# Altium PCB rpi_CM4_CAN_board.PcbDoc (continued)
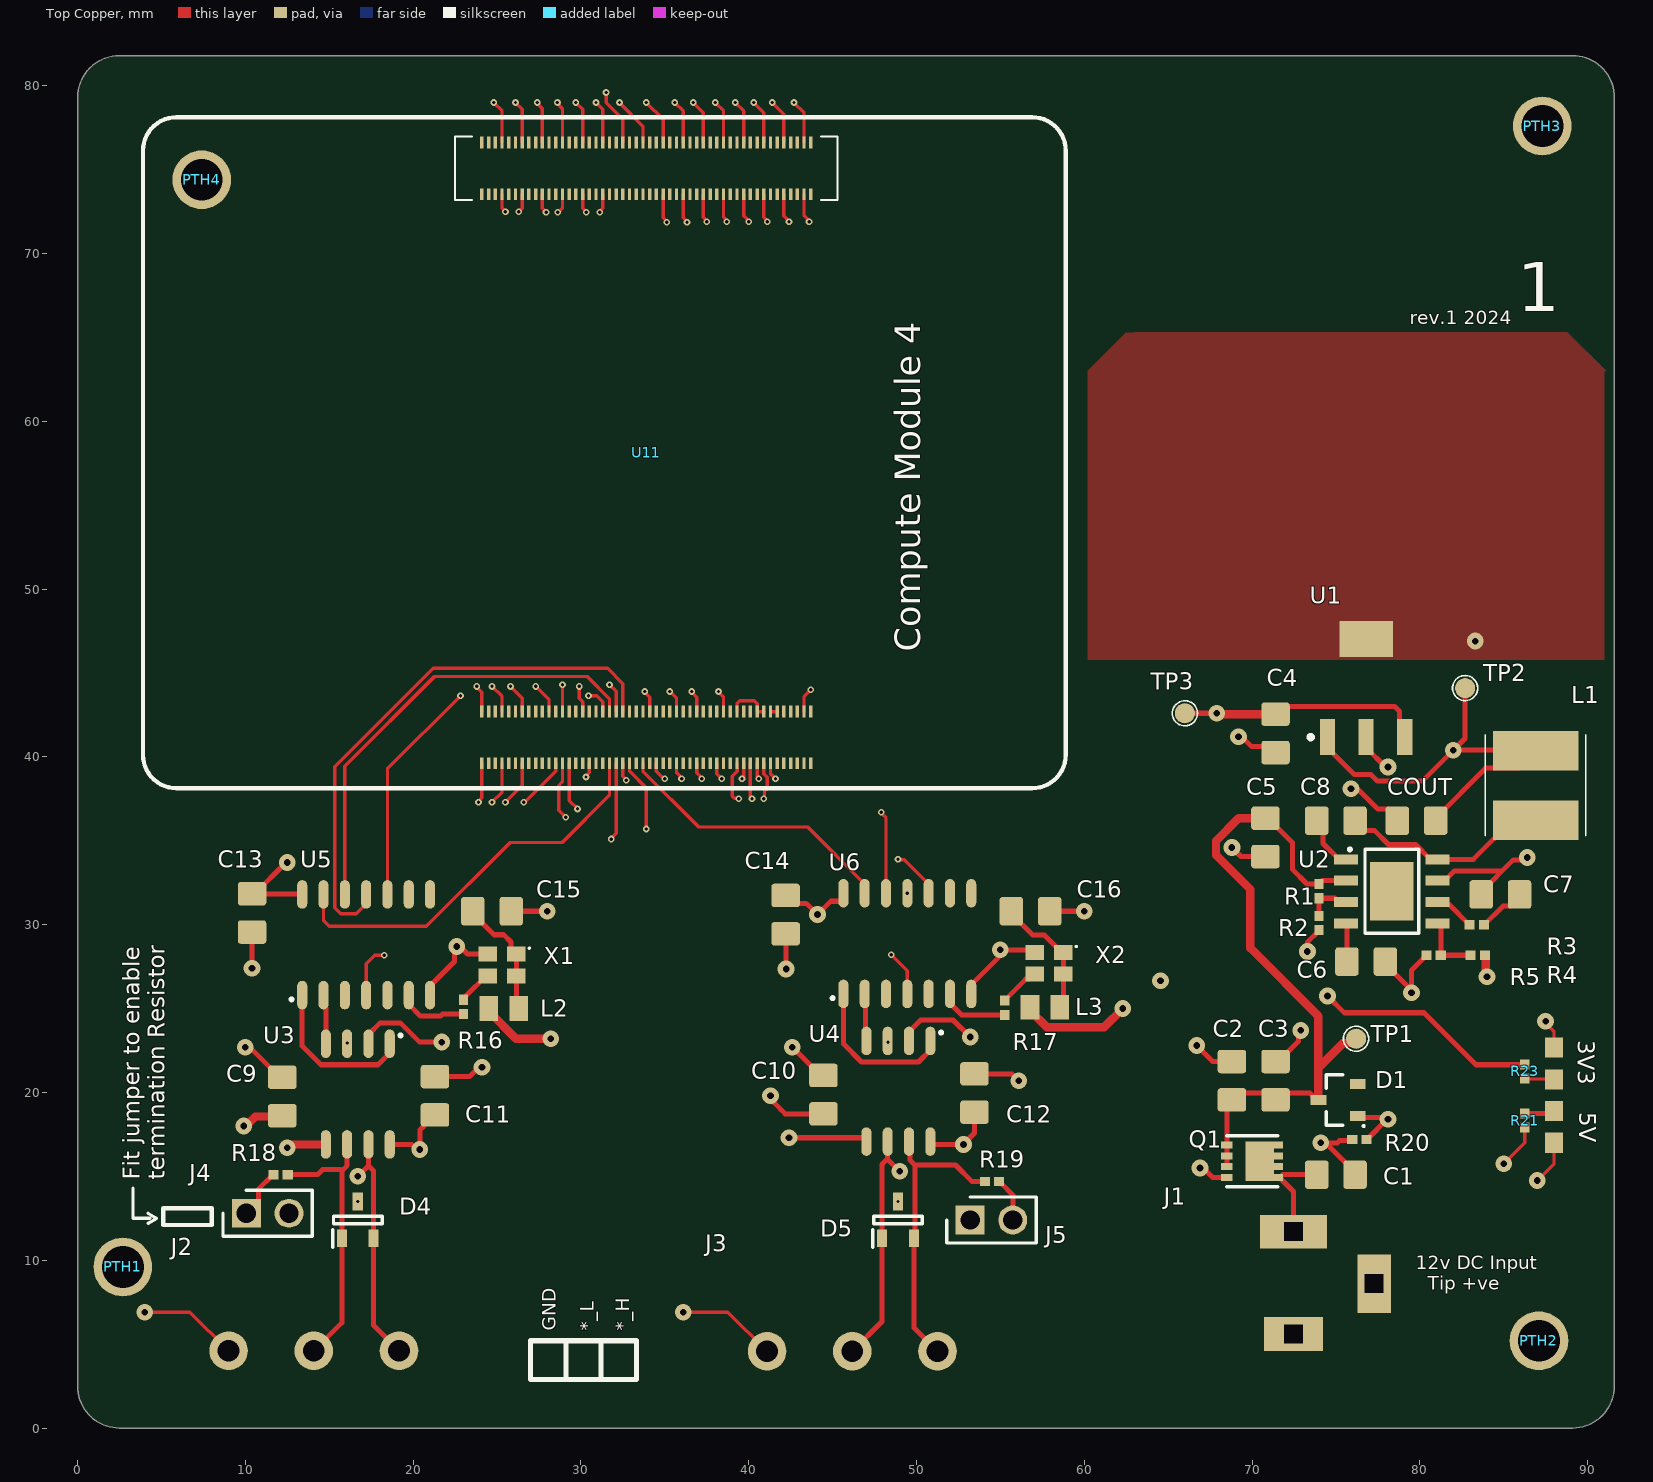
[diagram p0: Top Copper view]
## Components (designator, comment, footprint, x,y, rotation, side; value= is the part's Value field where it differs from the comment) (continued)

## Footprints (in the part's own frame and the unit in brackets; to place one, negate y for a bottom-side part, rotate by r counter-clockwise, add the part's x,y. Pads: shape width x height; smd on the part's side, far side on the other; paste and mask are expansions set on the pad)
AP60501 [mm]
  rect 1.45x0.6 smd: 1(-2.725,1.905) 2(-2.725,0.635) 3(-2.725,-0.635) 4(-2.725,-1.905) 5(2.725,-1.905) 6(2.725,-0.635) 7(2.725,0.635) 8(2.725,1.905)
  rect 2.6x3.5 smd: 9(0,0)
  silkscreen extent -2.55,-2.5 1.6,2.55, body extent -3,-2.5 3,2.5, height 1.75
CAP_0805 [mm]
  rrect25% 1.4x1.7 smd: 1(-1.143,0) 2(1.143,0)
  body extent -1.15,-0.76 1.15,0.79, height 1.01
CM4-DF40HC(3.0)-100DS-0.4v_3mm_1.5mm_NO_Outline-3D [mm] "DF40HC(3.0)-100DS-0.4v by Amornthep Phunsin"
  rect 0.7x0.2 smd: 1(18.5,-7.3) 2(15.42,-7.3) 3(18.5,-6.9) 4(15.42,-6.9) 5(18.5,-6.5) 6(15.42,-6.5) 7(18.5,-6.1) 8(15.42,-6.1) 9(18.5,-5.7) 10(15.42,-5.7) 11(18.5,-5.3) 12(15.42,-5.3) 13(18.5,-4.9) 14(15.42,-4.9) 15(18.5,-4.5) 16(15.42,-4.5) 17(18.5,-4.1) 18(15.42,-4.1) 19(18.5,-3.7) 20(15.42,-3.7) 21(18.5,-3.3) 22(15.42,-3.3) 23(18.5,-2.9) 24(15.42,-2.9) 25(18.5,-2.5) 26(15.42,-2.5) 27(18.5,-2.1) 28(15.42,-2.1) 29(18.5,-1.7) 30(15.42,-1.7) 31(18.5,-1.3) 32(15.42,-1.3) 33(18.5,-0.9) 34(15.42,-0.9) 35(18.5,-0.5) 36(15.42,-0.5) 37(18.5,-0.1) 38(15.42,-0.1) 39(18.5,0.3) 40(15.42,0.3) 41(18.5,0.7) 42(15.42,0.7) 43(18.5,1.1) 44(15.42,1.1) 45(18.5,1.5) 46(15.42,1.5) 47(18.5,1.9) 48(15.42,1.9) 49(18.5,2.3) 50(15.42,2.3) 51(18.5,2.7) 52(15.42,2.7) 53(18.5,3.1) 54(15.42,3.1) 55(18.5,3.5) 56(15.42,3.5) 57(18.5,3.9) 58(15.42,3.9) 59(18.5,4.3) 60(15.42,4.3) 61(18.5,4.7) 62(15.42,4.7) 63(18.5,5.1) 64(15.42,5.1) 65(18.5,5.5) 66(15.42,5.5) 67(18.5,5.9) 68(15.42,5.9) 69(18.5,6.3) 70(15.42,6.3) 71(18.5,6.7) 72(15.42,6.7) 73(18.5,7.1) 74(15.42,7.1) 75(18.5,7.5) 76(15.42,7.5) 77(18.5,7.9) 78(15.42,7.9) 79(18.5,8.3) 80(15.42,8.3) 81(18.5,8.7) 82(15.42,8.7) 83(18.5,9.1) 84(15.42,9.1) 85(18.5,9.5) 86(15.42,9.5) 87(18.5,9.9) 88(15.42,9.9) 89(18.5,10.3) 90(15.42,10.3) 91(18.5,10.7) 92(15.42,10.7) 93(18.5,11.1) 94(15.42,11.1) 95(18.5,11.5) 96(15.42,11.5) 97(18.5,11.9) 98(15.42,11.9) 99(18.5,12.3) 100(15.42,12.3) 101(-15.42,-7.3) 102(-18.5,-7.3) 103(-15.42,-6.9) 104(-18.5,-6.9) 105(-15.42,-6.5) 106(-18.5,-6.5) 107(-15.42,-6.1) 108(-18.5,-6.1) 109(-15.42,-5.7) 110(-18.5,-5.7) 111(-15.42,-5.3) 112(-18.5,-5.3) 113(-15.42,-4.9) 114(-18.5,-4.9) 115(-15.42,-4.5) 116(-18.5,-4.5) 117(-15.42,-4.1) 118(-18.5,-4.1) 119(-15.42,-3.7) 120(-18.5,-3.7) 121(-15.42,-3.3) 122(-18.5,-3.3) 123(-15.42,-2.9) 124(-18.5,-2.9) 125(-15.42,-2.5) 126(-18.5,-2.5) 127(-15.42,-2.1) 128(-18.5,-2.1) 129(-15.42,-1.7) 130(-18.5,-1.7) 131(-15.42,-1.3) 132(-18.5,-1.3) 133(-15.42,-0.9) 134(-18.5,-0.9) 135(-15.42,-0.5) 136(-18.5,-0.5) 137(-15.42,-0.1) 138(-18.5,-0.1) 139(-15.42,0.3) 140(-18.5,0.3) 141(-15.42,0.7) 142(-18.5,0.7) 143(-15.42,1.1) 144(-18.5,1.1) 145(-15.42,1.5) 146(-18.5,1.5) 147(-15.42,1.9) 148(-18.5,1.9) 149(-15.42,2.3) 150(-18.5,2.3) 151(-15.42,2.7) 152(-18.5,2.7) 153(-15.42,3.1) 154(-18.5,3.1) 155(-15.42,3.5) 156(-18.5,3.5) 157(-15.42,3.9) 158(-18.5,3.9) 159(-15.42,4.3) 160(-18.5,4.3) 161(-15.42,4.7) 162(-18.5,4.7) 163(-15.42,5.1) 164(-18.5,5.1) 165(-15.42,5.5) 166(-18.5,5.5) 167(-15.42,5.9) 168(-18.5,5.9) 169(-15.42,6.3) 170(-18.5,6.3) 171(-15.42,6.7) 172(-18.5,6.7) 173(-15.42,7.1) 174(-18.5,7.1) 175(-15.42,7.5) 176(-18.5,7.5) 177(-15.42,7.9) 178(-18.5,7.9) 179(-15.42,8.3) 180(-18.5,8.3) 181(-15.42,8.7) 182(-18.5,8.7) 183(-15.42,9.1) 184(-18.5,9.1) 185(-15.42,9.5) 186(-18.5,9.5) 187(-15.42,9.9) 188(-18.5,9.9) 189(-15.42,10.3) 190(-18.5,10.3) 191(-15.42,10.7) 192(-18.5,10.7) 193(-15.42,11.1) 194(-18.5,11.1) 195(-15.42,11.5) 196(-18.5,11.5) 197(-15.42,11.9) 198(-18.5,11.9) 199(-15.42,12.3) 200(-18.5,12.3)
  silkscreen extent -20.01,-27.5 20.04,27.5, body extent -18.69,-8.78 18.69,13.82, height 2.9
DMP3036SFV7 [mm]
  rect 0.42x0.7 smd: 1(-0.975,-1.5) 2(-0.325,-1.5) 3(0.325,-1.5) 4(0.975,-1.5)
  rect 0.42x0.54 smd: 5(0.975,1.58) 6(0.325,1.58) 7(-0.325,1.58) 8(-0.975,1.58)
  rect 2.37x1.71 smd: 9(0,0.455)
  silkscreen extent -1.53,-1.53 1.53,1.53, body extent -1.65,-1.72 1.65,1.58, height 0.8
HDRV2W66P0X254_1X2_508X249X1067P [mm]
  rect 1.725x1.725 hole 1.15: 1(0,0)
  round 1.725 hole 1.15: 2(2.54,0)
  silkscreen extent -1.4,-1.37 3.94,1.37, body extent -1.27,-1.25 3.81,1.25, height 9.07
L_0805 [mm]
  rect 1.12x1.47 smd: 1(-0.89,0) 2(0.89,0)
  body extent -1.07,-0.72 1.07,0.72, height 1.1
LED_fp [mm] "https://ro.farnell.com/wurth-elektronik/150080gs75000/led-0805-green-450mcd-520nm/dp/2322076?gross_price=true&CMP=KNC-GRO-GEN-SHOPPING-PMax_Test_840_MediumMargin&mckv=_dc%7Cpcrid%7C%7Cplid%7C%7Ckword%7C%7Cmatch%7C%7Cslid%7C%7Cproduct%7C2322076%7Cpgrid%7C%7Cptaid%7C%7C&gad_source=1&gclid=Cj0KCQjwjLGyBhCYARIsAPqTz18Amj4u5qMw452dzp4QFbvRWjaA25yZdq1iP5S9VaglDibMucql-VwaApB3EALw_wcB"
  rect 1.2x1.05 smd: 1(-0.95,0) 2(0.95,0)
  body extent -1,-0.63 1,0.63, height 0.7
MCP2517FD_SOIC14 [mm] "SOIC, 14-Leads, Body 8.65x3.90mm, Pitch 1.27mm, IPC Medium Density"
  oval 1.7x0.6 smd: 1(-3,3.81) 2(-3,2.54) 3(-3,1.27) 4(-3,0) 5(-3,-1.27) 6(-3,-2.54) 7(-3,-3.81) 8(3,-3.81) 9(3,-2.54) 10(3,-1.27) 11(3,0) 12(3,1.27) 13(3,2.54) 14(3,3.81)
  silkscreen extent -3.3,4.4 -3.2,4.5, body extent -2.96,-4.5 2.96,4.5, height 1.75
MCP2557_SOIC8 [mm]
  oval 1.7x0.6 smd: 1(-3,1.905) 2(-3,0.635) 3(-3,-0.635) 4(-3,-1.905) 5(3,-1.905) 6(3,-0.635) 7(3,0.635) 8(3,1.905)
  silkscreen extent -3.55,2.5 -3.45,2.6, body extent -3.25,-2.6 3.25,2.6, height 1.75
mh_fp [mm]
  round 3.5 hole 2.5: 1(0,0)
MMBZ52 [mm]
  rect 0.95x0.6 smd: 1(-1.175,0.95) 2(-1.175,-0.95) 3(1.175,0)
  silkscreen extent -1.58,-1.5 0.7,1.6, body extent -1.3,-1.5 1.3,1.5, height 1.1
Osc [mm]
  rect 1.1x0.9 smd: 1(-0.85,-0.65) 2(0.85,-0.65) 3(0.85,0.65) 4(-0.85,0.65)
  silkscreen extent -1.68,-1.05 -1.58,-0.95, body extent -1.25,-1 1.25,1, height 0.9
"power jack" [mm]
  rect 2x4 hole 1.1 square: 1(-3.1,0)
  rect 3.5x2 hole 1.1 square: 2(0,4.8)
  rect 2x3.5 hole 1.1 square: 3(3,0)
  body extent -3.55,-4.58 10.65,4.87, height 11
RES0402 [mm] "Chip Resistor, 2-Leads, Body 1.00x0.50mm, IPC Medium Density"
  rect 0.6x0.55 smd: 1(-0.425,0) 2(0.425,0)
  body extent -0.53,-0.28 0.53,0.28, height 0.4
SOT95P230X110-3N [mm]
  rect 1.05x0.6 smd: 1(-1.1,0.95) 2(-1.1,-0.95) 3(1.1,0)
  silkscreen extent -1.63,-1.45 0.23,1.5, body extent -1.2,-1.45 1.2,1.45, height 0.95
SRN6045TA330M [mm]
  rect 5.1x2.35 smd: 1(0,-2.075) 2(0,2.075)
  silkscreen extent -3,-3 3,3, body extent -3,-3 3,3, height 3.96
TC1108 [mm] "SOT223, 4-Leads, Body 6.50x7.00mm (avg), Pitch 2.30mm, IPC Medium Density"
  rect 2.15x0.9 smd: 1(-2.925,2.3) 2(-2.925,0) 3(-2.925,-2.3)
  rect 2.15x3.2 smd: 2(2.925,0)
  silkscreen extent -3.05,3.17 -2.8,3.42, body extent -3.5,-3.35 3.5,3.35, height 1.8
Terminal [mm]
  round 2.3 hole 1.3: 1(5.08,0) 2(0,0) 3(-5.08,0)
  body extent -8.06,-4.52 7.51,4.48, height 13.6
Test_point [mm] "Reference point"
  round 1.2 smd paste-0.6: TP?(0,0)
  silkscreen extent -0.75,-0.75 0.75,0.75, body extent -0.6,-0.6 0.6,0.6, height 0.03

## Part data
5V: "https://ro.farnell.com/wurth-elektronik/150080gs75000/led-0805-green-450mcd-520nm/dp/2322076?gross_price=true&CMP=KNC-GRO-GEN-SHOPPING-PMax_Test_840_MediumMargin&mckv=_dc%7Cpcrid%7C%7Cplid%7C%7Ckword%7C%7Cmatch%7C%7Cslid%7C%7Cproduct%7C2322076%7Cpgrid%7C%7Cptaid%7C%7C&gad_source=1&gclid=Cj0KCQjwjLGyBhCYARIsAPqTz18Amj4u5qMw452dzp4QFbvRWjaA25yZdq1iP5S9VaglDibMucql-VwaApB3EALw_wcB"
C1 C2 C3 C4 C5 C6 C7 C8 C9 C10 C11 C12 C13 C14 C15 C16 COUT: library part CAP_0805
D4 D5: "Diode", Manufacturer_Name=Nexperia, Mouser Part Number=771-PESD2CANFD27L-TR, Datasheet Link=https://assets.nexperia.com/documents/data-sheet/PESD2CANFD27L-T.pdf, Height=1.1mm, Manufacturer_Part_Number=PESD2CANFD27L-TR, Mouser Price/Stock=https://www.mouser.co.uk/ProductDetail/Nexperia/PESD2CANFD27L-TR?qs=hWgE7mdIu5THSw1DtVHdDg%3D%3D
L1: library part Inductor, "SRN6045TA-3R3Y"
L2 L3: library part Inductor
PTH1 PTH2 PTH3 PTH4: "Mounting Hole, 2.5mm"
R1 R2 R3 R4 R5 R16 R17 R18 R19 R20 R21 R23: library part "RES 0402"
TP1: library part test_point
U1: "CJ117 or TC1108"
U2: Manufacturer=Diodes, Manufacturer Part Number=AP64060WU-7, Supplier Part Number=31-AP64060WU-7CT-ND, Category="Voltage Regulators - Switching", Pricing="1=0.62, 10=0.531, 25=0.496, 100=0.3968, 250=0.36844, 500=0.31174, 1000=0.2409 (USD)", RoHS=No, Stock=6070, Supplier=Digikey

## Via types
v1: diameter 0.4, hole 0.2, Top Copper to Bottom Copper, 73 vias
v2: diameter 1, hole 0.4, Top Copper to Bottom Copper, 47 vias

## Nets (pads, with @x,y where several pads share a name; then routed paths per layer and width w, separated by ;. In a path a pad name is that pad's centre, name@x,y a point inside that pad or via, vN(x,y) a via of type N, cw(c..) or ccw(c..) an arc to the next point about the centre after c; other vN are vias at no path point)
0_CE0: U5.13 U11.39 | length 23.9
  Top Copper w0.2: U5.13 14.66,30.24 15,29.9 20.785,29.9 25.783,34.898 28.898,34.898 31.7,37.7 U11.39
0_CLK: U5.10 U11.38 | length 22.9
  Top Copper w0.2: U5.10 18.47,39.295 v1(22.825,43.65) ; v1(30.45,43.65) 30.95,43.65 31.3,43.3 U11.38
  Signal Layer 2 w0.2: v1(22.825,43.65) v1(30.45,43.65)
0_MISO: U5.12 U11.40 | length 26.9
  Top Copper w0.2: U5.12 15.93,39.448 21.274,44.792 30.374,44.792 31.7,43.466 U11.40
0_MOSI: U5.11 U11.44 | length 32.9
  Top Copper w0.2: U5.11 17.2,31.25 16.6,30.65 15.681,30.65 15.33,31.001 15.33,39.413 21.196,45.28 31.587,45.28 32.5,44.367 U11.44
1_CE0: U6.13 U11.49 | length 17
  Top Copper w0.2: U11.49 33.7,39.146 37.025,35.821 43.514,35.821 46.915,32.419 U6.13
1_CLK: U6.10 U11.25 | length 27.3
  Top Copper w0.2: U11.25 28.9,38.506 28.675,38.281 28.675,36.825 v1(29.1,36.4) ; v1(48.9,33.9) 48.938,33.862 49.283,33.862 50.725,32.419 U6.10
  Signal Layer 2 w0.2: v1(29.1,36.4) 29.154,36.4 29.254,36.3 46.5,36.3 v1(48.9,33.9)
1_MISO: U6.12 U11.26 | length 30.1
  Top Copper w0.2: U11.26 28.9,44.29 v1(28.902,44.292) ; v1(47.9,36.7) 47.9,36.646 48.185,36.361 U6.12
  Signal Layer 2 w0.2: v1(28.902,44.292) 28.902,44.902 29.6,45.6 39,45.6 v1(47.9,36.7)
1_MOSI: U6.11 U11.27 | length 26.1
  Top Copper w0.2: U11.27 29.3,37.4 v1(29.8,36.9)
  Signal Layer 2 w0.2: v1(29.8,36.9) 29.817,36.9 30.017,36.7 47.093,36.7 49.455,34.338 v1(49.455,31.869)
3V3: C4.2 C9.2 C10.2 C13.1 C14.1 L2.2 L3.2 R23.2 TP3.TP? U1.3 U3.5 U4.5 U5.14 U6.14 | length 73.5
  Top Copper w0.3: v2(12.5,33.7) 12.421,33.7 10.564,31.843 C13.1 10.409,31.834 13.356,31.834 U5.14 ; v2(41.3,19.8) 41.3,19.611 41.858,19.052 41.858,19.042 42.174,18.726 C10.2 ; C14.1 42.671,31.272 43.428,31.272 v2(44.1,30.6) 44.895,31.395 45.507,31.395 45.645,31.534 U6.14 ; v2(42.4,17.3) 46.877,17.3 47.015,17.161 U4.5 ; TP3.TP? v2(67.9,42.6) ; C4.2 71.857,43 78.5,43 78.8,42.7 78.8,41.475 U1.3 ; v2(74.5,25.75) 75.5,24.75 80.25,24.75 83.35,21.65 R23.2@86.3,21.65
  Top Copper w0.5: v2(9.9,18) 10.035,18 10.6,18.565 12.151,18.565 C9.2 ; v2(12.5,16.7) 12.635,16.7 12.835,16.9 U3.5 ; L2.2 24.51,24.825 26.135,23.2 v2(28.2,23.2) ; L3.2 56.765,24.894 57.775,23.884 61.184,23.884 v2(62.3,25) ; v2(67.9,42.6) 67.957,42.543 C4.2@71.236,42.543
  Signal Layer 2 w0.3: v2(64.55,26.651) 65.451,25.75 v2(74.5,25.75)
5V: C11.2 C12.2 COUT.2 L1.2 R4.2 R21.2 TP2.TP? U1.1 U3.3 U4.3 U11.77 U11.79 U11.81 U11.83 U11.85 U11.87 | length 46.2
  Top Copper w0.2: U11.77 39.3,39.311 39.309,39.303 39.309,39.137 39.024,38.852 39.024,37.666 39.152,37.538 39.362,37.538 v1(39.4,37.5) ; v1(39.6,38.7) 39.7,38.8 U11.79 ; U11.81 40.1,37.654 40.2,37.554 v1(40.2,37.5) ; U11.83 40.5,38.854 40.6,38.754 v1(40.6,38.7) ; v1(40.9,37.5) 40.938,37.538 40.938,37.938 41.1,38.1 41.1,38.8 40.9,39 U11.85 ; U11.87 41.3,39 v1(41.6,38.7) ; v2(85,15.75) 86.25,17 R21.2
  Top Copper w0.3: U3.3@16.065,23.45 16.065,23.435 U3.3@16.1,23.4 ; C11.2 23.354,20.943 23.911,21.5 v2(24.1,21.5) ; C12.2 55.688,21.112 v2(56.1,20.7) ; U1.1 74.5,40.55 76.1,38.95 77.076,38.95 77.476,38.55 80.15,38.55 v2(82,40.4) ; COUT.2 80.943,36.35 83.943,39.35 85.875,39.35 L1.2 86.875,40.4 v2(82,40.4) ; TP2.TP? 82.7,41.1 v2(82,40.4)
  Top Copper w0.5: R4.2 83.903,28.176 83.928,28.151 83.928,26.972 v2(84,26.9)
  other v1: 16.075,22.95 48.3,23
GND: 3V3.1 5V.1 C1.1 C2.1 C3.1 C4.1 C5.1 C6.1 C7.1 C9.1 C10.1 C11.1 C12.1 C13.2 C14.2 C15.2 C16.2 COUT.1 D4.3 D5.3 J1.2 J1.3 J2.3 J3.3 PTH1.1 PTH2.1 PTH3.1 PTH4.1 R2.1 R5.1 R20.1 U1.2 U2.7 U3.2 U3.8 U4.2 U4.8 U5.7 U6.7 U11.1 U11.2 U11.7 U11.8 U11.13 U11.14 U11.22 U11.23 U11.32 U11.33 U11.42 U11.43 U11.52 U11.53 U11.59 U11.60 U11.65 U11.66 U11.71 U11.74 U11.98 U11.107 U11.108 U11.113 U11.114 U11.119 U11.120 U11.125 U11.126 U11.131 U11.132 U11.137 U11.138 U11.144 U11.150 U11.155 U11.156 U11.161 U11.162 U11.167 U11.168 U11.173 U11.174 U11.179 U11.180 U11.185 U11.186 U11.191 U11.192 U11.197 U11.198 X1.2 X2.2 | length 193.4
  Top Copper w0.2: v2(4,6.9) 6.7,6.9 J2.3 ; v1(23.8,44.2) 23.8,44.146 24.1,43.846 U11.2 ; v1(23.9,37.3) 23.9,37.354 24.1,37.554 U11.1 ; v1(24.7,37.3) 25.3,37.9 U11.7 ; v1(24.7,44.2) 25.3,43.6 U11.8 ; v1(24.8,79) 25.3,78.5 U11.108 ; U11.107 25.3,72.7 v1(25.5,72.5) ; v1(25.5,37.3) 26.5,38.3 U11.13 ; v1(25.8,44.2) 26.5,43.5 U11.14 ; v1(26.1,79) 26.5,78.6 U11.114 ; v1(26.3,72.5) 26.5,72.7 U11.113 ; v1(26.6,37.3) 26.638,37.338 26.693,37.338 28.5,39.146 U11.23 ; v1(27.3,44.2) 28.1,43.4 U11.22 ; v1(27.4,79) 27.4,78.946 27.7,78.646 U11.120 ; U11.119 27.7,72.7 v1@27.9,72.5 ; v1(28.6,79) 28.6,78.946 28.9,78.646 U11.126 ; v1@28.7,72.5 28.9,72.7 U11.125 ; v1(29.7,79) 30.1,78.6 U11.132 ; v1(29.9,44.2) 29.9,43.493 30.1,43.293 U11.32 ; U11.131 30.1,72.7 v1@30.3,72.5 ; v1(30.3,38.8) 30.3,38.854 30.5,39.054 U11.33 ; v1(30.9,79) 31.3,78.6 U11.138 ; v1@31.1,72.5 31.3,72.7 U11.137 ; v1(31.5,79.6) 31.5,79 32.5,78 U11.144 ; v1(31.7,44.3) 32.1,43.9 U11.42 ; v1(32.3,79) 33.7,77.6 U11.150 ; U11.43 32.5,38.854 32.7,38.654 v1(32.7,38.6) ; v1(33.8,43.9) 33.8,43.846 34.1,43.546 U11.52 ; v1(33.9,79) 34.9,78 U11.156 ; U11.53 34.5,39.146 34.907,38.738 34.962,38.738 v1(35,38.7) ; U11.155 34.9,72.137 35.124,71.913 v1(35.124,71.859) ; v1(35.3,43.9) 35.7,43.5 U11.60 ; v1(35.6,79) 36.1,78.5 U11.162 ; U11.59 35.7,39.054 36,38.754 v1(36,38.7) ; v2(36.1,6.9) 38.765,6.9 J3.3 ; U11.161 36.1,72.137 36.324,71.913 v1(36.324,71.859) ; v1(36.6,43.9) 36.6,43.846 36.9,43.546 U11.66 ; v1(36.7,79) 37.3,78.4 U11.168 ; U11.65 36.9,39.054 37.2,38.754 v1(37.2,38.7) ; U11.167 37.3,72.154 37.5,71.954 v1(37.5,71.9) ; v1(38,79) 38.5,78.5 U11.174 ; U11.71 38.1,39 v1(38.4,38.7) ; v1(38.2,43.9) 38.2,43.846 38.5,43.546 U11.74 ; U11.173 38.5,72.154 38.7,71.954 v1(38.7,71.9) ; v1(39.2,79) 39.7,78.5 U11.180 ; U11.179 39.7,72.254 40,71.954 v1(40,71.9) ; v1(40.3,79) 40.9,78.4 U11.186 ; U11.185 40.9,72.154 41.1,71.954 v1(41.1,71.9) ; v1(41.4,79) 42.1,78.3 U11.192 ; U11.191 42.1,72.254 42.4,71.954 v1(42.4,71.9) ; v1(42.7,79) 43.3,78.4 U11.198 ; U11.98 43.3,43.6 v1(43.7,44) ; U11.197 43.3,72.254 43.6,71.954 v1(43.6,71.9) ; v2(87,14.75) 88,15.75 5V.1 ; v2(87.5,24.25) 87.5,24.119 88,23.619 3V3.1
  Top Copper w0.3: v2(10,22.7) 10.134,22.566 10.384,22.566 12.05,20.9 C9.1 ; v2(10.4,27.4) C13.2 ; U3.2 17.335,23.45 18.035,24.15 19.238,24.15 20.388,23 v2(21.7,23) ; U3.8 19.911,16.9 20.211,16.6 v2(20.4,16.6) 20.4,17.757 20.615,17.972 20.615,18.109 21.164,18.657 C11.1 C11.1@21.45,18.657 ; U5.7 21.01,26.35 22.466,27.806 22.466,28.566 v2(22.6,28.7) 22.789,28.7 23.239,28.25 X1.2 ; C15.2 v2(28,30.8) ; C14.2 42.231,29.426 v2@42.231,27.555 ; v2(42.6,22.7) 42.609,22.7 44.296,21.012 C10.1 ; U4.2 49.555,23.619 50.255,24.319 52.181,24.319 v2(53.2,23.3) ; U4.8 50.825,17.039 50.964,16.9 v2(52.8,16.9) 52.8,16.933 53.455,17.588 C12.1 ; U6.7 53.265,26.419 54.866,28.02 54.866,28.366 v2(55,28.5) 56.9,28.5 X2.2 ; C16.2 v2(60,30.8) ; v2(66.7,22.8) 67.657,21.843 C2.1 ; v2(68.8,34.6) 69.343,34.057 C5.1 ; v2(69.2,41.2) 69.389,41.2 69.957,40.632 71.025,40.632 C4.1 ; C3.1 71.55,21.843 72.766,23.059 72.766,23.566 v2(72.9,23.7) ; v2@73.3,28.6 73.3,28.95 74,29.65 R2.1 ; v2(75.9,38.1) 76.034,37.966 76.427,37.966 77.509,36.885 78.109,36.885 78.657,36.336 COUT.1 ; R20.1 75.913,17.138 75.225,17.138 75.087,17 v2(74.1,17) 74.234,16.866 74.514,16.866 76.143,15.237 C1.1 ; U1.2@76.8,41.175 76.8,40.55 77.95,39.4 v2(78.1,39.4) ; C6.1 77.943,27.65 v2@79.5,26.093 ; v2@79.5,25.8 v2(79.5,25.946) v2@79.5,26.093 ; R5.1 80.375,28.176 80.25,28.051 80.25,28.026 79.5,27.276 v2@79.5,26.093 ; U2.7 81.479,32.621 82.066,33.208 84.9,33.208 ; C7.1 83.657,31.95 85.573,33.866 86.266,33.866 v2(86.4,34)
  other v1: 16.7,13.5 48.9,13.5 27.924,72.459 28.624,72.459 30.324,72.459 31.124,72.459
  other v2: 42.231,27.355 73.3,28.4 83.3,46.9
gpio_24: U6.4 U11.45 | length 24.8
  Top Copper w0.2: U11.45 32.9,39.2 32.9,39.146 33.9,38.146 v1(33.9,35.7) ; v1(48.5,28.2) 49.455,27.245 U6.4
  Signal Layer 2 w0.2: v1(33.9,35.7) 41.4,28.2 v1(48.5,28.2)
gpio_25: U5.4 U11.41 | length 24.9
  Top Copper w0.2: U5.4 17.2,27.675 17.7,28.175 v1(18.275,28.175) ; v1(31.8,35.1) 31.8,35.154 32.1,35.454 U11.41
  Signal Layer 2 w0.2: v1(18.275,28.175) 19.65,28.175 22.225,30.75 22.225,31.9 22.55,32.225 28.625,32.225 31.496,35.096 31.796,35.096 v1(31.8,35.1)
Net3V3_2: 3V3.2 R23.1 | length 1.7
  Top Copper w0.2: R23.1@86.3,20.8 87.975,20.8 3V3.2
Net5V_2: 5V.2 R21.1 | length 1.8
  Top Copper w0.3: R21.1 87.85,18.75 5V.2
NetC1_2: C1.2 J1.1 Q1.5 Q1.6 Q1.7 Q1.8 Q1.9 | length 5.9
  Top Copper w0.3: Q1.5 Q1.5@71.64,14.925 ; J1.1 72.474,14.091 Q1.5@71.64,14.925 ; C1.2 71.815,15.1 Q1.5@71.64,14.925
NetC2_2: C2.2 C3.2 C5.2 D1.3 Q1.1 Q1.2 Q1.3 R1.2 TP1.TP? U2.2 | length 41.9
  Top Copper w0.3: Q1.1@68.498,16.877 68.498,19.255 69.214,19.971 70.986,19.971 C3.2 71.807,19.964 73.449,19.964 73.625,19.788 73.625,19.7 73.775,19.55 D1.3 ; Q1.3@68.518,15.593 68.5,15.61 68.5,16.19 Q1.2@68.518,16.207 ; Q1.2@68.518,16.243 68.5,16.26 68.5,16.84 Q1.1@68.518,16.857 ; C5.2 70.95,36.343 72.4,34.893 72.4,33.3 73.275,32.425 R1.2 74,32.45 74.171,32.621 U2.2
  Top Copper w0.5: C5.2 69.199,36.343 67.85,34.994 67.85,34.144 69.9,32.094 69.9,28.6 73.948,24.552 73.948,21.464 ; D1.3@73.948,19.552 73.948,21.464 ; TP1.TP? 76.011,23.2 75.744,22.933 75.418,22.933 73.948,21.464
NetC6_2: C6.2 U2.4 | length 2.3
  Top Copper w0.3: U2.4 75.657,30.029 C6.2
NetC7_2: C7.2 R3.1 | length 2.9
  Top Copper w0.3: R3.1 83.85,30 84.965,31.115 85.395,31.115 85.943,31.664 C7.2
NetC8_1: C8.1 L1.1 U2.8 | length 12.7
  Top Copper w0.3: C8.1 76.143,36.17 76.691,35.622 77.293,35.622 78.136,34.778 79.742,34.778 80.629,33.891 U2.8 83.191,33.891 85.525,36.225 L1.1
NetC8_2: C8.2 U2.1 | length 3.3
  Top Copper w0.3: C8.2 74.232,35.825 74.232,34.839 75.179,33.891 U2.1
NetC15_1: C15.1 L2.1 X1.1 X1.4 | length 7.2
  Top Copper w0.3: C15.1 23.557,30.664 24.821,29.4 25.4,29.4 25.832,28.968 25.832,28.55 26.132,28.25 X1.1 ; X1.1@26.15,28.15 X1.4 26.15,25.14 L2.1
NetC16_1: C16.1 L3.1 X2.1 X2.4 | length 7.6
  Top Copper w0.3: C16.1 55.657,30.65 56.924,29.383 57.617,29.383 58.65,28.35 X2.1 X2.4 58.75,25.274 L3.1
NetD1_1: D1.1 Q1.4 R20.2 | length 17.9
  Top Copper w0.3: v2(66.9,15.5) 67.089,15.5 67.664,14.925 Q1.4 ; D1.1 76.4,18.5 78,18.5 v2(78.1,18.4) 78.05,18.4 76.85,17.2 R20.2
  Signal Layer 1 w0.3: v2(66.9,15.5) 74.8,15.5 77.566,18.266 77.966,18.266 v2(78.1,18.4)
NetD4_1: D4.1 J2.2 R18.1 U3.6 | length 16.5
  Top Copper w0.3: R18.1 14.3,15.1 14.6,15.4 15.673,15.4 15.75,15.323 ; J2.2 15.75,6.27 D4.1 15.75,15.323 ; U3.6 16.065,15.638 15.75,15.323
NetD4_2: D4.2 J2.1 J4.2 U3.7 | length 19
  Top Copper w0.3: v2(16.7,15) 17.335,15.635 ; U3.7 17.335,15.635 ; J2.1 17.65,6.11 D4.2 17.65,15.32 17.335,15.635
  Signal Layer 2 w0.3: J4.2 14.8,15 v2(16.7,15)
NetD5_1: D5.1 J3.2 J5.1 U4.6 | length 19.8
  Top Copper w0.3: J3.2 47.95,6.344 47.95,11.7 47.95,15.718 48.266,16.034 ; U4.6 48.266,17.05 48.266,16.034 ; v2(49,15.3) 48.266,16.034
  Signal Layer 2 w0.3: v2(49,15.3) 50.3,15.3 J5.1
NetD5_2: D5.2 J3.1 R19.1 U4.7 | length 17.8
  Top Copper w0.3: U4.7 49.613,17.012 49.613,15.96 49.9,15.673 ; J3.1 49.85,5.975 49.85,11.7 49.9,11.75 49.9,15.673 ; R19.1 53.3,14.7 52.327,15.673 49.9,15.673
NetJ4_1: J4.1 R18.2 | length 3
  Top Copper w0.3: J4.1 10.773,13.513 10.773,14.222 11.65,15.1 R18.2
NetJ5_2: J5.2 R19.2 | length 2.7
  Top Copper w0.3: R19.2 54.95,14.7 55.075,14.575 55.075,14.55 55.74,13.885 J5.2
NetR1_1: R1.1 R2.2 U2.3 | length 2.7
  Top Copper w0.3: R2.2 R1.1 74.956,31.575 75.179,31.351 U2.3
NetR3_2: R3.2 U2.6 | length 2.5
  Top Copper w0.3: U2.6 81.204,31.201 81.749,31.201 82.95,30 R3.2
NetR4_1: R4.1 R5.2 U2.5 | length 3.8
  Top Copper w0.3: U2.5 81.1,30.081 81.25,29.931 R5.2 R4.1
NetR16_1: R16.1 X1.3 | length 2.1
  Top Copper w0.3: R16.1 23.125,25.65 23.125,25.725 24.35,26.95 X1.3
NetR16_2: R16.2 U5.6 | length 4.2
  Top Copper w0.3: U5.6 19.74,25.25 20.44,24.55 21.636,24.55 21.761,24.675 R16.2
NetR17_1: R17.1 X2.3 | length 2.5
  Top Copper w0.3: R17.1 55.255,25.494 56.511,26.75 56.75,26.75 X2.3
NetR17_2: R17.2 U6.6 | length 4.1
  Top Copper w0.3: U6.6 51.995,25.319 52.695,24.619 R17.2
NetU3_1: U3.1 U5.1 | length 9.6
  Top Copper w0.3: U5.1 13.39,22.765 14.505,21.65 17.905,21.65 18.605,22.35 U3.1
NetU3_4: U3.4 U5.2 | length 3
  Top Copper w0.3: U5.2 14.66,25.169 14.795,25.034 U3.4
NetU4_1: U4.1 U6.1 | length 9.4
  Top Copper w0.3: U6.1 45.645,22.899 46.725,21.819 50.125,21.819 50.825,22.519 U4.1
NetU4_4: U4.4 U6.2 | length 2.8
  Top Copper w0.3: U6.2 46.965,25.819 46.965,23.119 U4.4
NetU11_78: U11.78 U11.84 U11.86 | length 2.7
  Top Copper w0.2: U11.78 39.3,43.174 39.476,43.35 40.324,43.35 40.5,43.174 U11.84 U11.86
NetU11_88: U11.88 U11.90 | length 0.4
  Top Copper w0.2: U11.88 U11.90
pads on no net: D1.2 U2.9 U5.3 U5.5 U5.8 U5.9 U6.3 U6.5 U6.8 U6.9 U11.3 U11.4 U11.5 U11.6 U11.9 U11.10 U11.11 U11.12 U11.15 U11.16 U11.17 U11.18 U11.19 U11.20 U11.21 U11.24 U11.28 U11.29 U11.30 U11.31 U11.34 U11.35 U11.36 U11.37 U11.46 U11.47 U11.48 U11.50 U11.51 U11.54 U11.55 U11.56 U11.57 U11.58 U11.61 U11.62 U11.63 U11.64 U11.67 U11.68 U11.69 U11.70 U11.72 U11.73 U11.75 U11.76 U11.80 U11.82 U11.89 U11.91 U11.92 U11.93 U11.94 U11.95 U11.96 U11.97 U11.99 U11.100 U11.101 U11.102 U11.103 U11.104 U11.105 U11.106 U11.109 U11.110 U11.111 U11.112 U11.115 U11.116 U11.117 U11.118 U11.121 U11.122 U11.123 U11.124 U11.127 U11.128 U11.129 U11.130 U11.133 U11.134 U11.135 U11.136 U11.139 U11.140 U11.141 U11.142 U11.143 U11.145 U11.146 U11.147 U11.148 U11.149 U11.151 U11.152 U11.153 U11.154 U11.157 U11.158 U11.159 U11.160 U11.163 U11.164 U11.165 U11.166 U11.169 U11.170 U11.171 U11.172 U11.175 U11.176 U11.177 U11.178 U11.181 U11.182 U11.183 U11.184 U11.187 U11.188 U11.189 U11.190 U11.193 U11.194 U11.195 U11.196 U11.199 U11.200

## Polygon pours and split planes (outlines as drawn)
5V on Signal Layer 1 "5V_L02_P024" (solid, remove dead copper, pour order 24): 91,47.1 61.5,47.1 55.9,41.5 39.5,41.5 38.5,40.5 38.5,35.75 39.25,35 59,35 65.75,41.75 65.75,44.75 66.5,45.5 68,45.5 69,44.5 69,38 66,35 66,26 64,24 46,24 46,17.875 44.125,16 30.425,16 27,19.425 27,23.875 26.875,24 14.075,24 14,23.925 14,10.875 14.875,10 23.7,10 25,11.3 34.7,11.3 36,10 89.2,10 91,11.8
3V3 on Signal Layer 1 "3V3_L02_P026" (solid, remove dead copper, pour order 26): 13.75,11.8 13.75,11.532 12.952,10.75 9.6,10.75 8.7,11.65 8.7,34.1 9.4,34.8 59.1,34.8 66,41.7 66,44.6 66.6,45.2 68,45.2 68.8,44.4 68.8,38 65.8,35 65.8,26.1 63.9,24.2 46.1,24.2 45.8,23.9 45.8,17.9 44.1,16.2 30.6,16.2 27.2,19.6 27.2,23.9 26.9,24.2 14.1,24.2 13.8,23.9
GND on Top Copper "GND_L01_P027" (solid, remove dead copper, pour order 27): 88.8,65.3 91.1,63 91,63 91,45.8 60.2,45.8 60.2,63 62.477,65.277 63.011,65.3
GND on Bottom Copper "GND_L04_P016" (solid, remove dead copper, pour order 16): 0,3.1 0,2.54 ccw(c2.54,2.54) 2.54,0 3,0 89.06,0 ccw(c89.06,2.54) 91.6,2.54 91.6,79.26 ccw(c89.06,79.26) 89.06,81.8 2.5,81.8 ccw(c2.5,79.3) 0,79.3

## Silkscreen, mask and mechanical layers (free items; w line width, h text height)
Top Overlay:
  lines w0.2: 3.3,14.3 3.3,12.5 4.3,12.5 ; 4.2,12.2 4.7,12.5 4.2,12.8
  lines w0.254: 5.1,12.1 8,12.1 8,13.1 5.1,13.1 5.1,12.1
  lines w0.3: 29.1,2.9 29.1,5.1 ; 31.2,2.9 31.2,5.2 ; 27,2.9 33.3,2.9 33.3,5.2 27,5.2 27,2.9
  text "rev.1 2024" at 79.4,65.8 h0.8
  text "1" at 85.8,65.6 h5
  text "Compute Module 4" at 50.238,46.254 h1.52 r90
  text "Fit jumper to enable / termination Resistor" at 5.2,14.8 h1 r90
  text "12v DC Input /   Tip +ve" at 79.75,8.25 h0.8
  text "GND" at 28.5,5.8 h0.8 r90
  text "*_L" at 30.767,5.8 h0.8 r90
  text "*_H" at 32.867,5.8 h0.8 r90
Mechanical 1:
  the board outline again, w0.3

## Text inside footprints (layer, text, board x,y; h text height)
U11: Top Component Outline "GPIO" at 32.025,41.62 h0.7 r180; Top Component Outline "5V" at 41.3,41.12 h0.7 r180; Top Component Outline "DS1" at 44.449,75.62 h0.7 r180; Top Component Outline "HDMI1" at 37.358,76.22 h0.7 r180; Top Component Outline "SD" at 38.391,41.72 h0.7 r180; Top Component Outline "HDMI0" at 41.775,76.12 h0.7 r180; Top Component Outline "DSI0" at 38.349,75.02 h0.7 r180; Top Component Outline "TV" at 28.649,75.12 h0.7 r180; Top Component Outline "ETH" at 26.649,41.62 h0.7 r180; Top Component Outline "1V8" at 42.625,42.32 h0.7 r180; Top Component Outline "CAM0" at 32.183,76.12 h0.7 r180; Top Component Outline "CAM1" at 32.149,75.02 h0.7 r180; Top Component Outline "3V3" at 40.025,42.32 h0.7 r180